# KiCad board HW.ACIM-INV.kicad_pcb
title: INVERTER BOARD; date: 2024-02-20; rev: 0.0; company: TON DUC THANG UNIVERSITY; note: Schematic Designed by ...; note: PCB Designed by ...; note: Approved by ...
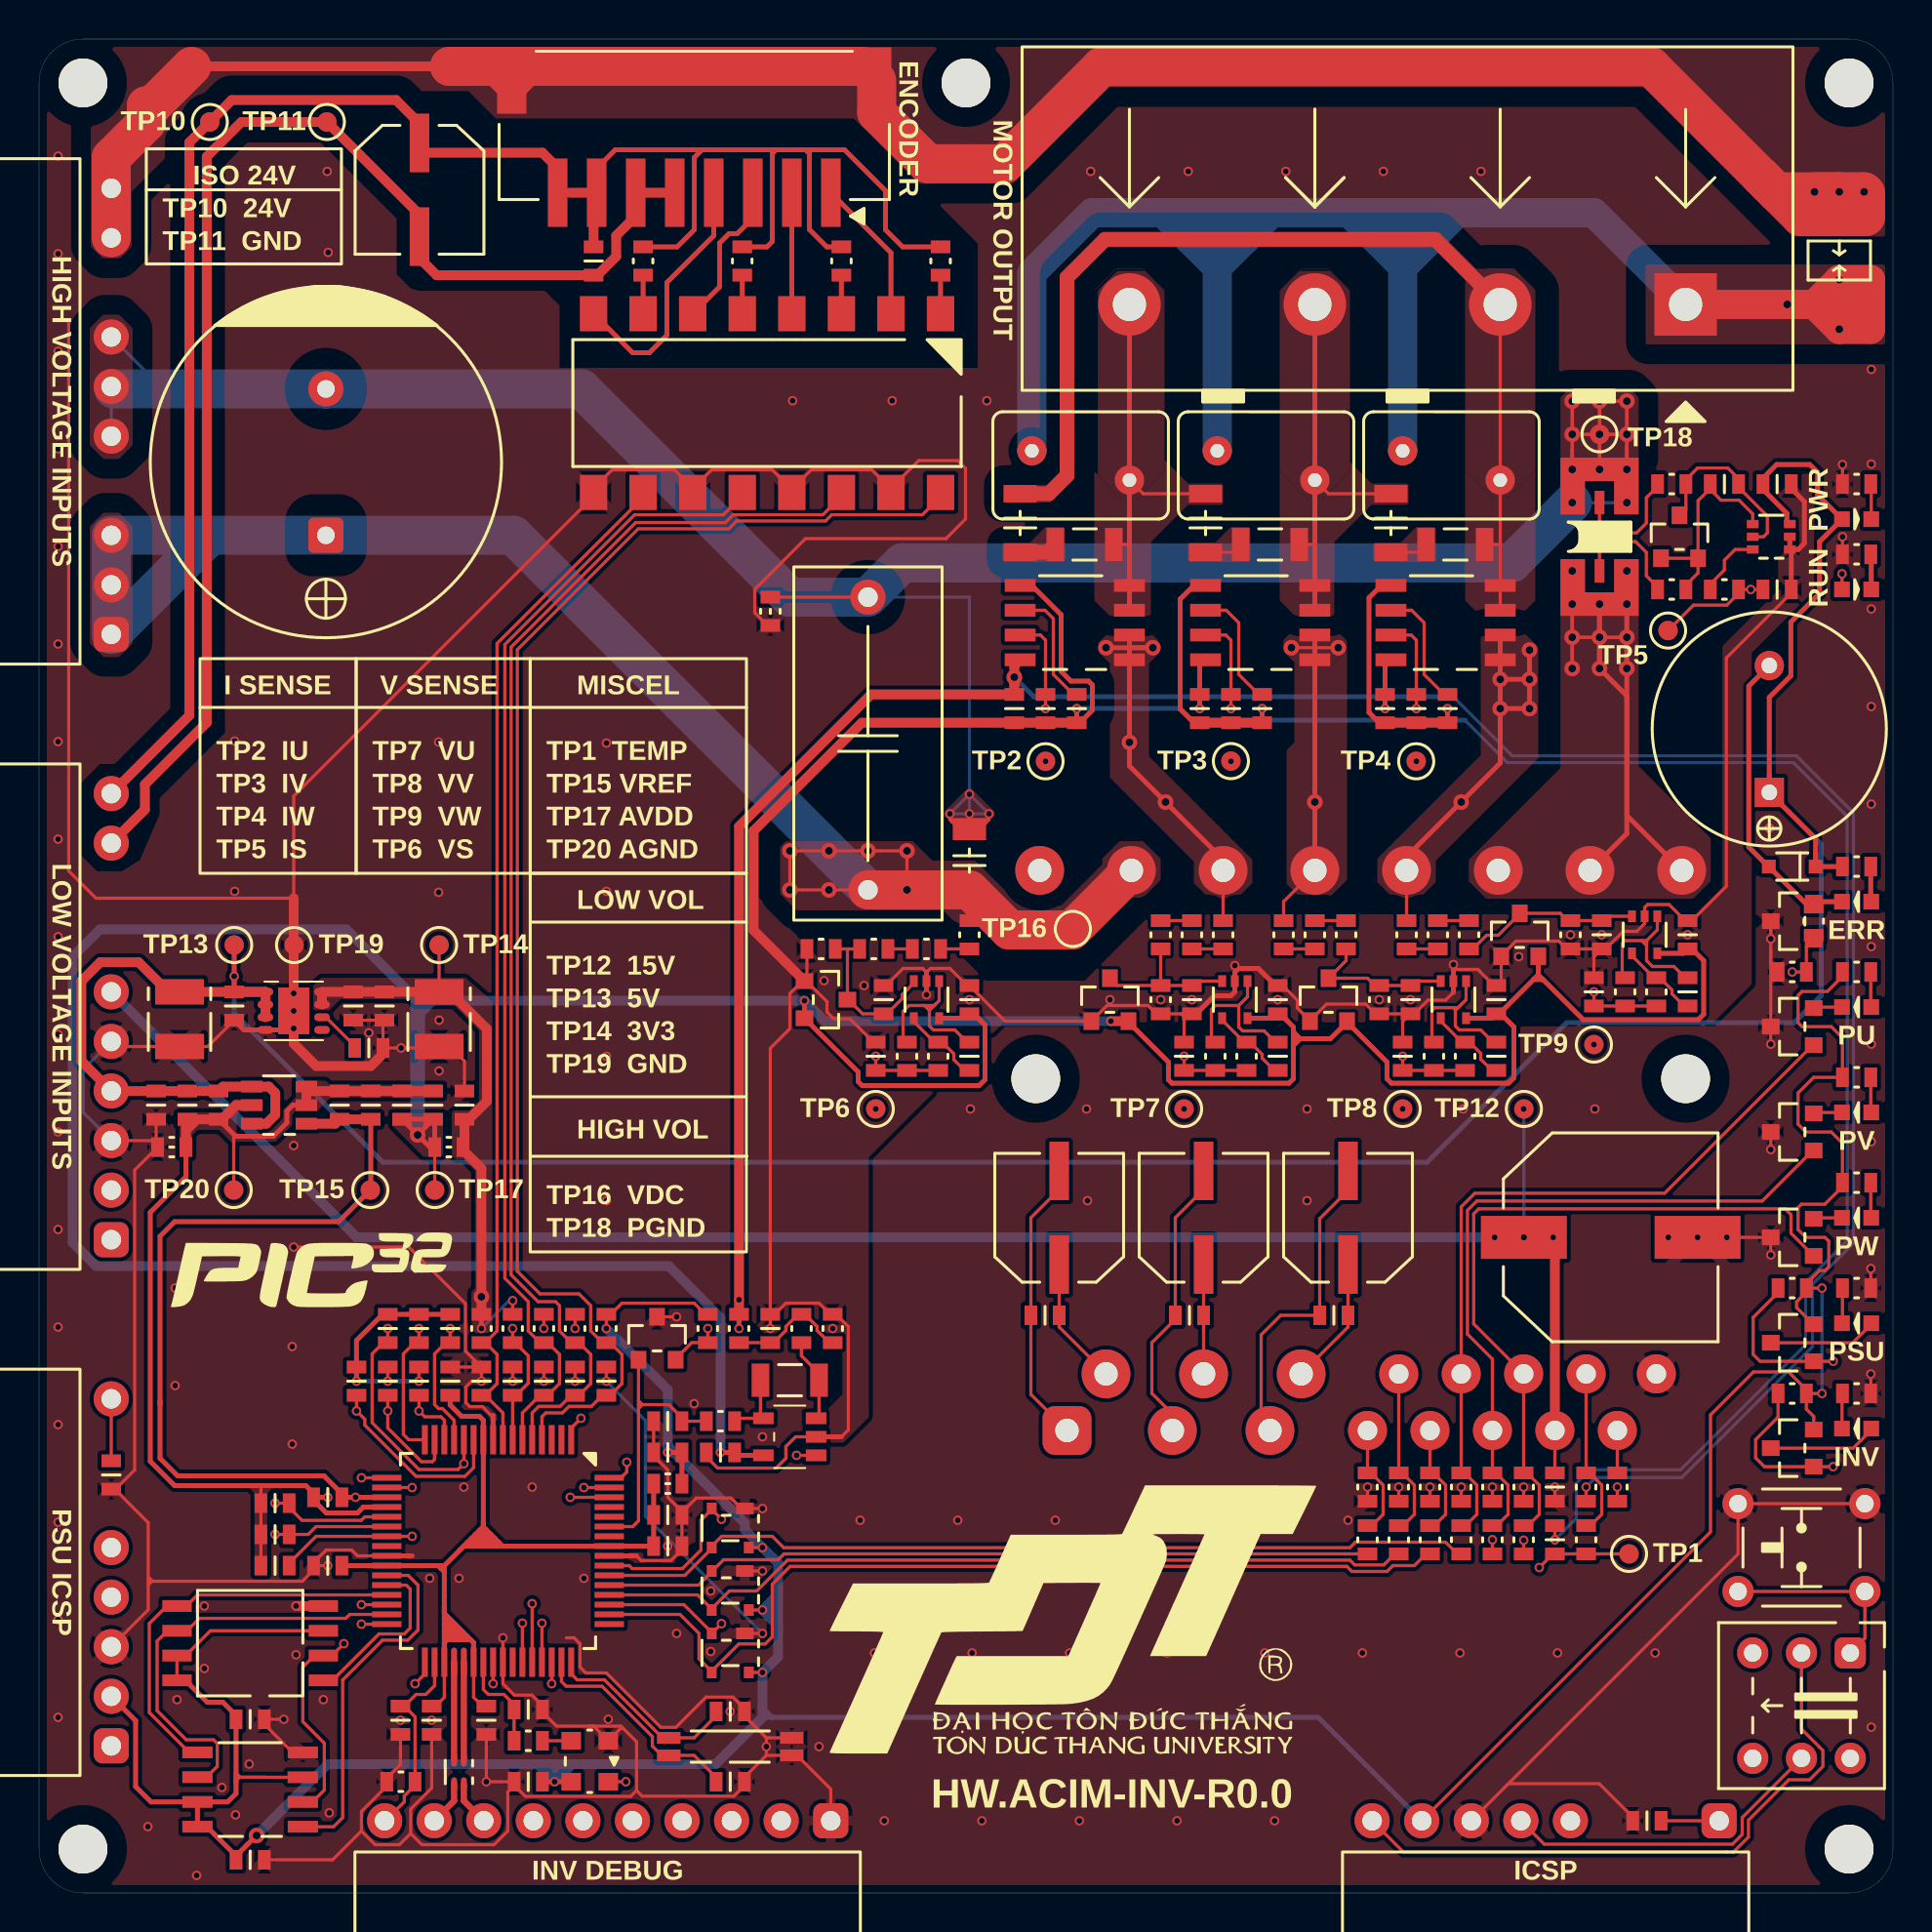
[diagram p0: board, top side]
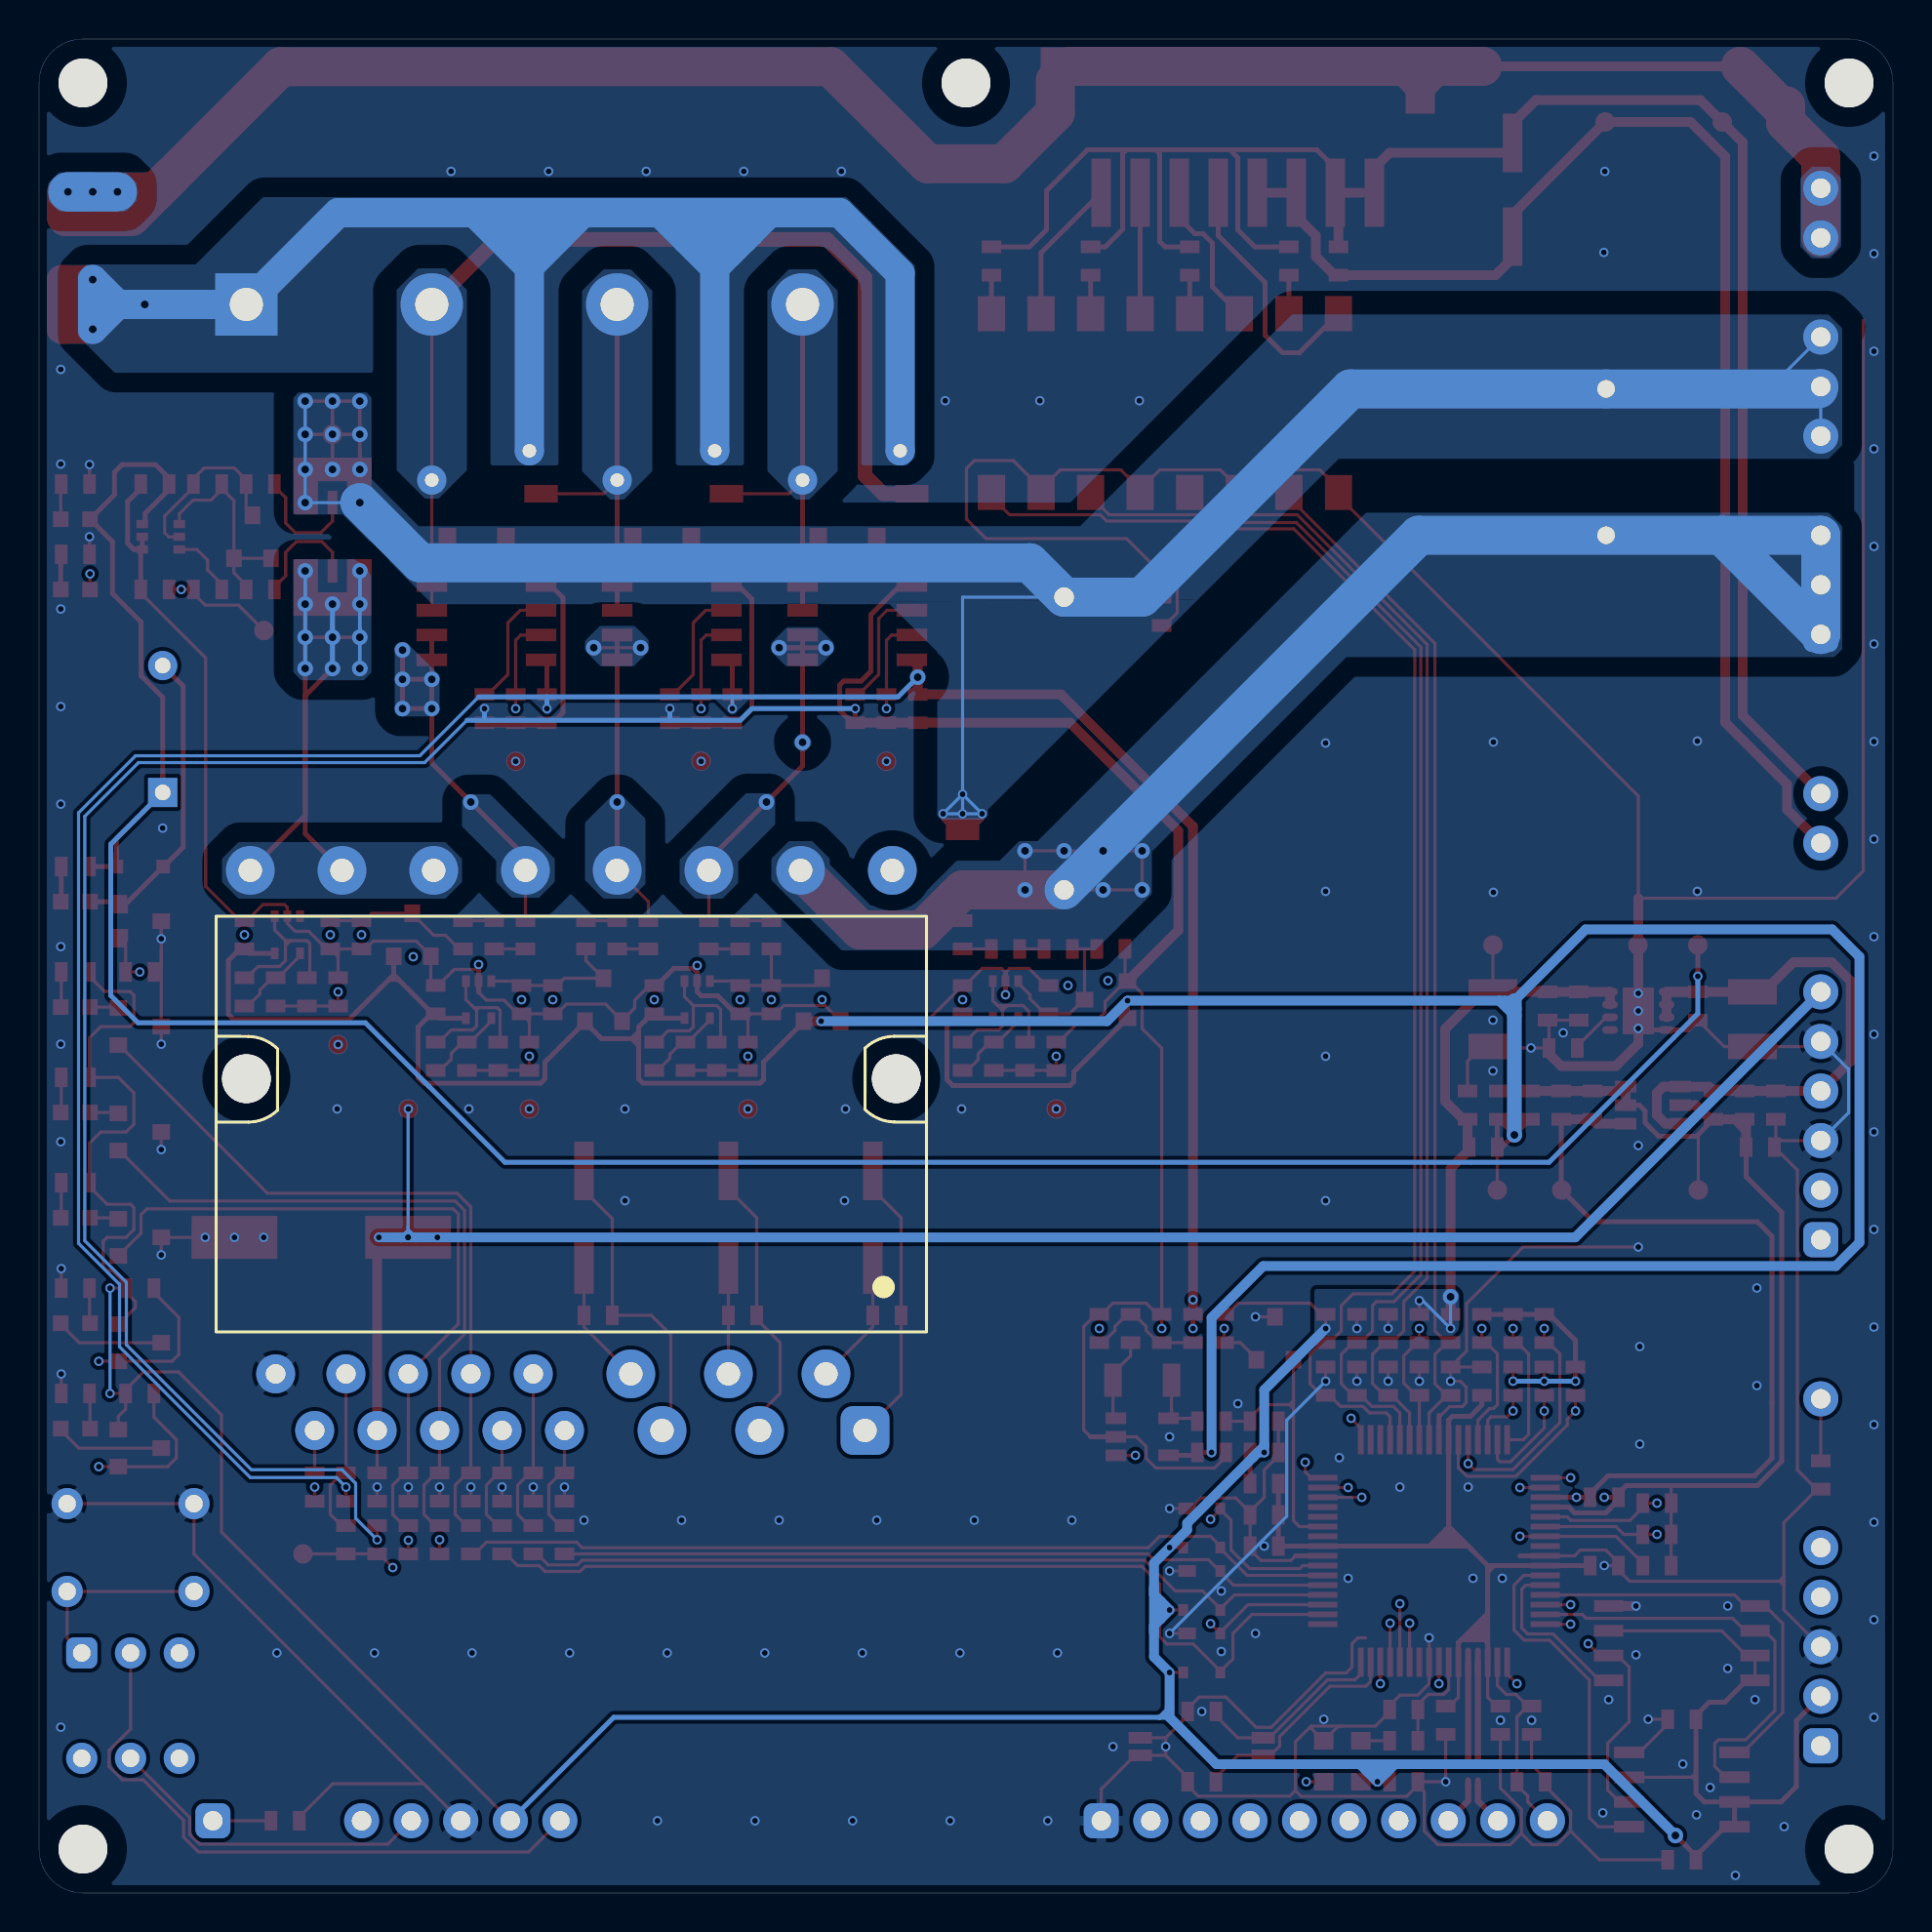
[diagram p1: board, bottom side, seen from below]

Outline 95 x 95 mm; copper layers: Top, In1.Cu, In2.Cu, Bottom. Coordinates in mm from the lower left corner of the outline.
Outline path: 0,92.75 0,2.25 arc(0.66,0.66) 2.25,0 92.75,0 arc(94.34,0.66) 95,2.25 95,92.75 arc(94.34,94.34) 92.75,95 2.25,95 arc(0.66,94.34) 0,92.75
Stack: Top 0.035mm / dielectric 0.1mm FR4 er 4.5 / In1.Cu 0.035mm / dielectric 1.24mm FR4 er 4.5 / In2.Cu 0.035mm / dielectric 0.1mm FR4 er 4.5 / Bottom 0.035mm

## Placement (name value [footprint] x y rotation side)
BT1  RESET  [BUTTON_4P_6x6]  90.31 17.7 180 top
BZ1  BUZZER  [AT-1224]  88.66 59.64 90 top  (not fitted)
C1  1uF/400V  [ECWFE2W105]  42.47 58.9 270 top
C2  100nF  [CAP0603]  51.55 29.6 180 top
C3  47uF/35V  [CAP_ELEC-6.6x6.6-DIA6.3]  52.28 34.6 90 top
C4  47uF/35V  [CAP_ELEC-6.6x6.6-DIA6.3]  59.68 34.6 90 top
C5  100nF  [CAP0603]  58.95 29.6 180 top
C6  47uF/35V  [CAP_ELEC-6.6x6.6-DIA6.3]  67.07 34.6 90 top
C7  100nF  [CAP0603]  66.35 29.6 180 top
C8  1nF  [CAP0603]  47.68 42.88 90 top
C9  100nF  [CAP0603]  42.88 42.88 90 top
C10  100nF  [CAP0603]  43.28 45.78 90 top
C11  100pF/2kV  [CAP1206]  69.28 70.2 90 top
C12  100pF/2kV  [CAP1206]  50.28 70.2 270 top
C13  100pF/2kV  [CAP1206]  59.78 70.2 270 top
C14  100pF/2kV  [CAP1206]  47.68 52.9 90 top
C15  1nF  [CAP0603]  72.18 60.69 90 top
C16  470uF  [CAP_ELEC-10.3x10.3-DIA10]  80.54 33.59 0 top
C17  100nF  [CAP0603]  77.68 20.8 270 top
C18  1nF  [CAP0603]  77.68 18.1 270 top
C19  1nF  [CAP0603]  63.47 42.88 90 top
C20  100nF  [CAP0603]  58.68 42.88 90 top
C21  1nF  [CAP0603]  32.22 24.17 0 top
C22  100nF  [CAP0603]  37.47 28.92 270 top
C23  100nF  [CAP0603]  59.07 45.78 270 top
C24  100nF  [CAP0603]  63.47 45.78 270 top
C25  1nF  [CAP0603]  74.68 42.88 90 top
C26  100nF  [CAP0603]  69.88 42.88 90 top
C27  100nF  [CAP0603]  74.68 45.78 270 top
C28  100nF  [CAP0603]  70.28 45.78 270 top
C29  1nF  [CAP0603]  86.36 72.19 180 top
C30  1nF  [CAP0603]  89.06 66.8 180 top
C31  100nF  [CAP0603]  89.06 72.19 180 top
C32  220uF/6.3V  [CAP1411]  20.5 44.77 270 top
C33  22pF  [CAP0603]  24.27 26.22 270 top
C34  100nF  [CAP0603]  10.82 1.7 180 top  (not fitted)
C35  100nF  [CAP0603]  10.82 8.9 180 top  (not fitted)
C36  22pF  [CAP0603]  22.67 26.22 270 top
C37  1nF  [CAP0603]  84.47 46.17 90 top
C38  100nF  [CAP0603]  79.68 46.17 90 top
C39  100nF  [CAP0603]  84.47 49.1 270 top
C40  100nF  [CAP0603]  80.07 49.1 270 top
C41  100nF  [CAP0603]  47.68 45.78 270 top
C42  100nF  [CAP0603]  34.92 22.57 0 top
C43  22pF  [CAP0603]  17.87 28.92 270 top
C44  22pF  [CAP0603]  17.87 26.22 270 top
C45  22pF  [CAP0603]  19.47 26.22 270 top
C46  22pF  [CAP0603]  21.07 28.92 270 top
C47  22pF  [CAP0603]  16.27 26.22 270 top
C48  10uF  [CAP0603]  6 40.37 90 top
C49  22pF  [CAP0603]  7.6 40.37 90 top
C50  100nF  [CAP0603]  9.2 40.37 90 top
C51  22pF  [CAP0603]  29.07 26.22 270 top
C52  22pF  [CAP0603]  27.47 26.22 270 top
C53  100nF  [CAP0603]  15.4 40.37 270 top
C54  10uF  [CAP0603]  17.7 45.45 90 top
C55  10uF  [CAP0603]  17 40.37 270 top
C56  3.3nF  [CAP0603]  16.1 45.45 90 top
C57  22pF  [CAP0603]  21.8 40.37 270 top
C58  22pF  [CAP0603]  20.2 40.37 270 top
C59  10uF  [CAP0603]  18.6 40.37 270 top
C60  22pF  [CAP0603]  25.87 26.22 270 top
C61  100nF  [CAP0603]  68.97 60.69 90 top
C62  1nF  [CAP0603]  70.57 60.69 90 top
C63  100nF  [CAP0603]  59.47 60.69 90 top
C64  1nF  [CAP0603]  62.68 60.69 90 top
C65  1nF  [CAP0603]  61.07 60.69 90 top
C66  100nF  [CAP0603]  49.97 60.69 90 top
C67  1nF  [CAP0603]  53.18 60.69 90 top
C68  1nF  [CAP0603]  51.57 60.69 90 top
C69  22pF  [CAP0603]  19.47 28.92 270 top
C70  22pF  [CAP0603]  12.09 18.37 0 top
C71  22pF  [CAP0603]  12.09 19.97 0 top
C72  22pF  [CAP0603]  12.09 16.77 0 top
C73  47uF/35V  [CAP_ELEC-6.6x6.6-DIA6.3]  19.5 87.28 270 top
C74  100nF  [CAP0603]  28.42 83.62 90 top
C75  100uF/450V  [CAP_ELEC-18.0x51.5-LS7.5]  14.7 73.32 90 top
C76  22pF  [CAP0603]  82.39 3.7 0 top  (not fitted)
C77  22pF  [CAP0603]  3.7 21.42 90 top  (not fitted)
C78  100nF  [CAP0603]  10 45.45 90 top
C79  100nF  [CAP0603]  16.9 43.3 180 top
C83  220uF/6.3V  [CAP1411]  7.2 44.77 270 top
C89  100nF  [CAP0603]  14.79 16.77 0 top
C90  22pF  [CAP0603]  32.22 22.57 0 top
C91  22pF  [CAP0603]  32.22 19.37 180 top
C92  10uF  [CAP0603]  32.22 17.77 180 top
C93  100nF  [CAP0603]  20.12 8.85 90 top
C94  100nF  [CAP0603]  21.07 26.22 270 top
C95  100nF  [CAP0603]  14.79 20.27 0 top
C96  100nF  [CAP0603]  22.92 8.85 90 top
C97  22pF  [CAP0603]  18.52 8.85 90 top  (not fitted)
C98  9pF  [CAP0603]  35.42 5.7 180 top  (not fitted)
C99  9pF  [CAP0603]  35.42 9.3 180 top  (not fitted)
C100  100nF  [CAP0603]  25.07 5.7 0 top
C101  22pF  [CAP0603]  25.07 9.4 180 top  (not fitted)
D1  GP DIODE  [SOT23]  40.32 45.78 270 top
D2  GP DIODE  [SOT23]  54.88 45.78 0 top
D3  GP DIODE  [SOT23]  66.07 45.78 0 top
D4  GP DIODE  [SOT23]  75.88 49.1 0 top
D5  INV  [LED0603]  93.14 23.8 0 top  (not fitted)
D6  ERR  [LED0603]  93.14 50.8 0 top
D7  75V/150mA  [SOD-323]  89.84 52.59 180 top  (not fitted)
D8  RUN  [LED0603]  93.14 66.8 180 top
D9  PWR  [LED0603]  93.14 70.4 180 top
D10  TVS 5.5V 3-CH  [SOT143B_NEXT]  35.42 15.5 180 top
D11  TVS 5.5V 3-CH  [SOT143B_NEXT]  35.42 18.7 180 top
D12  PU  [LED0603]  93.14 45.39 0 top  (not fitted)
D13  PV  [LED0603]  93.14 40 0 top  (not fitted)
D14  PW  [LED0603]  93.14 34.59 0 top  (not fitted)
D15  TVS 5.5V 3-CH  [SOT143B_NEXT]  35.42 12.3 180 top
D16  PSU  [LED0603]  93.14 29.19 0 top  (not fitted)
D20  GP DIODE  [SOT23]  84.06 69.5 0 top
FT1  120R@100MHz  [FT0603]  6.8 38.22 180 top
FT2  120R@100MHz  [FT0603]  37.47 65.67 90 top
FT3  120R@100MHz  [FT0603]  21 38.22 180 top
FT6  120R@100MHz  [FT0603]  32.22 20.97 180 top
FT7  2x 120R@100MHz  [IND1210_4P]  21.52 6.2 270 top  (not fitted)
G1  300V  [GDT1812_3532]  92.25 83.65 270 top
G***  -  [LOGO]  13.97 32 0 top
G***#2  -  [LOGO]  52.97 14 0 top
J1  HIGH VOLTAGE INPUTS  [HDM1x10x2.54_TH_RA#3]  3.7 75.92 90 top
J2  ICSP  [HDM1x8x2.54_TH_RA]  77.2 3.7 180 top
J3  MOTOR OUTPUT  [TMB4_9.5]  70.12 81.4 180 top
J4  LOW VOLTAGE INPUTS  [HDM1x10x2.54_TH_RA]  3.7 44.9 90 top
J5  PSU ICSP  [HDF1x8x2.54_TH_RA]  3.7 16.43 90 top  (not fitted)
J6  INV DEBUG  [HDM1x10x2.54_TH_RA#2]  29.14 3.7 180 top
J8  ENCODER  [HDM1x8x2.0_SMA_RA]  33.57 89.92 180 top
M1  560V/1.75kA  [MOV5MM]  72.38 73.15 0 top
M2  560V/1.75kA  [MOV5MM]  62.88 73.15 0 top
M3  560V/1.75kA  [MOV5MM]  53.38 73.15 0 top
NOREF  -  [unnamed]  47.5 92.75 0 top
NOREF#2  -  [unnamed]  92.75 92.75 0 top
NOREF#3  -  [unnamed]  2.25 2.25 0 top
NOREF#4  -  [unnamed]  51.07 41.72 0 top
NOREF#5  -  [unnamed]  84.38 41.72 0 top
NOREF#6  -  [unnamed]  92.75 2.25 0 top
OP1  OPTO-BJT-4CH  [OPTO_SO16_6.5MM]  37.31 76.34 180 top
Q1  20V/1A  [SOT23]  31.67 28.42 0 top  (not fitted)
Q2  20V/1A  [SOT23]  89.84 22.8 90 top  (not fitted)
Q3  20V/1A  [SOT23]  89.84 49.8 90 top  (not fitted)
Q4  20V/1A  [SOT23]  89.84 44.39 90 top  (not fitted)
Q5  20V/1A  [SOT23]  89.84 39 90 top  (not fitted)
Q6  20V/1A  [SOT23]  89.84 33.59 90 top  (not fitted)
Q7  20V/1A  [SOT23]  89.84 28.19 90 top  (not fitted)
R1  100K  [RES0603]  47.68 49.1 270 top
R2  100K  [RES0603]  45.47 48.38 180 top
R3  1.1K  [RES0603]  46.07 42.88 270 top
R4  100K  [RES0603]  42.78 48.38 180 top
R5  10R  [RES0603]  44.47 42.88 90 top
R6  1.1K  [RES0603]  40.07 48.38 180 top
R7  0R  [RES0603]  80.88 20.8 270 top
R8  100K  [RES0603]  60.68 49.1 270 top
R9  100K  [RES0603]  59.07 49.1 90 top
R10  1.1K  [RES0603]  61.88 42.88 270 top
R11  1.1K  [RES0603]  79.28 18.1 270 top
R12  100K  [RES0603]  79.28 20.8 90 top
R13  1.1K  [RES0603]  68.07 18.1 270 top
R14  1.1K  [RES0603]  69.68 18.1 270 top
R15  1.1K  [RES0603]  71.28 18.1 270 top
R16  100K  [RES0603]  71.28 20.8 90 top
R17  100K  [RES0603]  69.68 20.8 90 top
R18  100K  [RES0603]  68.07 20.8 90 top
R19  1.1K  [RES0603]  72.88 18.1 270 top
R20  1.1K  [RES0603]  93.14 47.19 180 top  (not fitted)
R21  1.1K  [RES0603]  74.47 18.1 270 top
R22  1.1K  [RES0603]  76.07 18.1 270 top
R23  100K  [RES0603]  76.07 20.8 90 top
R24  100K  [RES0603]  74.47 20.8 90 top
R25  100K  [RES0603]  72.88 20.8 90 top
R26  100K  [RES0603]  57.47 49.1 270 top
R27  10R  [RES0603]  34.92 24.17 180 top
R28  100K  [RES0603]  35.87 28.92 90 top
R29  1.1K  [RES0603]  39.07 28.92 90 top
R30  1M  [RES1206]  38.47 26.27 0 top
R31  470K  [RES0603]  40.67 28.92 270 top
R32  10R  [RES0603]  60.28 42.88 90 top
R33  1.1K  [RES0603]  57.47 45.78 270 top
R34  100K  [RES0603]  63.78 49.1 270 top
R35  100K  [RES0603]  65.38 49.1 90 top
R36  1.1K  [RES0603]  73.07 42.88 270 top
R37  100K  [RES0603]  66.97 49.1 270 top
R38  10R  [RES0603]  71.47 42.88 90 top
R39  1.1K  [RES0603]  68.68 45.78 270 top
R40  10R  [RES0603]  83.66 66.8 180 top
R41  10R  [RES0603]  86.36 66.8 0 top
R42  10R  [RES0603]  83.66 72.19 180 top
R43  5mR/3W/1%  [SHU2512]  79.96 69.5 270 top
R44  4.3K  [RES0603]  36.03 83.62 270 top
R45  4.3K  [RES0603]  41.12 83.62 270 top
R46  4.3K  [RES0603]  46.19 83.62 270 top
R47  10K  [RES0603]  24.27 28.92 270 top
R48  100K  [RES0603]  70.07 49.1 270 top
R49  100K  [RES0603]  71.68 49.1 90 top
R50  1.1K  [RES0603]  82.88 46.17 270 top
R51  100K  [RES0603]  73.28 49.1 270 top
R52  10R  [RES0603]  81.28 46.17 90 top
R53  1.1K  [RES0603]  78.47 49.1 270 top
R54  10K  [RES0603]  34.27 28.92 270 top  (not fitted)
R55  1.1K  [RES0603]  93.14 25.59 180 top  (not fitted)
R56  100K  [RES0603]  89.84 25.59 180 top  (not fitted)
R57  1.1K  [RES0603]  93.14 52.59 180 top
R58  100K  [RES0603]  89.84 47.19 180 top  (not fitted)
R59  1.1K  [RES0603]  93.14 68.59 180 top
R60  1.1K  [RES0603]  93.14 72.19 180 top
R61  4.3K  [RES0603]  30.96 83.62 270 top
R62  1.1K  [RES0603]  22.67 28.92 270 top
R63  4.7R  [RES1206]  63.07 69.1 0 top
R64  1.1K  [RES0603]  93.14 41.8 180 top  (not fitted)
R65  1.1K  [RES0603]  93.14 31 180 top  (not fitted)
R66  1.1K  [RES0603]  93.14 36.39 180 top  (not fitted)
R67  100K  [RES0603]  89.84 31 180 top  (not fitted)
R68  4.7R  [RES1206]  72.57 69.1 0 top
R69  4.7R  [RES1206]  53.57 69.1 0 top
R70  1.1K  [RES0603]  29.07 28.92 270 top
R71  1.1K  [RES0603]  27.47 28.92 270 top
R72  1.1K  [RES0603]  25.87 28.92 270 top
R73  0R  [RES0603]  90.94 49.8 270 top
R110  100K  [RES0603]  18.54 5.7 180 top  (not fitted)
R111  0R  [RES0603]  25.07 7.8 0 top
REF**  -  [SCREWHOLE-2.5M]  2.25 92.75 0 top
SW1  PRG SEL  [SW_PUSH_2DPDT]  90.31 9.6 180 top
TP1  TEMP  [TP1MM]  81.47 17.38 0 top
TP2  IU  [TP1MM]  51.57 57.99 0 top
TP3  IV  [TP1MM]  61.07 58 0 top
TP4  IW  [TP1MM]  70.57 57.99 0 top
TP5  IS  [TP1MM]  83.47 64.69 0 top
TP6  VS  [TP1MM]  42.88 40.17 0 top
TP7  VU  [TP1MM]  58.68 40.17 0 top
TP8  VV  [TP1MM]  69.88 40.17 0 top
TP9  VW  [TP1MM]  79.68 43.47 0 top
TP10  24V  [TP1MM]  8.75 90.75 0 top
TP11  GND1  [TP1MM]  14.75 90.75 0 top
TP12  15V  [TP1MM]  76.09 40.17 0 top
TP13  5V  [TP1MM]  10 48.57 0 top
TP14  3V3  [TP1MM]  20.5 48.57 0 top
TP15  VREF  [TP1MM]  16.97 36.02 0 top
TP16  VDC  [TP1MM]  52.97 49.4 0 top
TP17  AVDD  [TP1MM]  20.28 36.02 0 top
TP18  PGND  [TP1MM]  79.96 74.75 0 top
TP19  GND  [TP1MM]  13.07 48.57 0 top
TP20  AGND  [TP1MM]  9.97 36.02 0 top
U1  IPM 600V/15A  [CIPOS-MINI]  67.72 38.05 0 bottom
U2  OP-1CH  [SOT353]  61.28 45.78 270 top
U3  ISEN 50mV/V  [SOT363]  88.76 69.5 90 top
U4  CMP-1CH  [SOT25_DIODES]  38.47 23.37 90 top
U5  MIPS 32-bit DSC  [TQFP64_10x10_MCHP]  23.52 17.52 270 top
U6  24MHz (3225)  [CDFN3225-4LD-PL-1]  28.22 6.75 180 top
U7  I=±10A  [SOIC8_ALL]  72.06 65.09 90 top
U8  LDO 3.3V±0.1%/20mA  [SOT-23-6_MCHP]  12.3 40.37 90 top
U9  I=±10A  [SOIC8_ALL]  62.56 65.09 90 top
U10  I=±10A  [SOIC8_ALL]  53.06 65.09 90 top
U11  256Kbit EEPROM  [SOIC8_3.9_MCHP]  10.82 5.3 90 top  (not fitted)
U12  OP-1CH  [SOT353]  72.47 45.78 270 top
U13  128Mbit Flash  [SO8W_5.3]  10.82 12.8 180 top  (not fitted)
U14  LDO 3.3V/1.5A  [DFN8_3x3_MCHP]  13.05 45.2 270 top
U15  OP-1CH  [SOT353]  82.28 49.1 270 top
U16  OP-1CH  [SOT353]  45.47 45.78 270 top
X1  32.768kHz  [SMD4-7015]  35.42 7.5 0 top  (not fitted)

## Library data of the parts
BT1 = -: Description: SWITCH TACTILE 6x6x17MM SPST-NO 0.05A 12V; MFT: CUI; MNP: TS02-66-170-BK-160-SCR-D
BZ1 = -: Description: BUZZER MAGNETIC 5V 12MM TH; MNP: AT-1224-TWT-5V-2-R; MFT: PUI; Unit Price: 0.55; Checked: OK
C1 = -: Description: CAP FILM 1UF 10% 450VDC RADIAL; MNP: ECW-FE2W105K; Unit Price: 0.72; MFT: Panasonic; Checked: OK
C2 C5 C7 C9 C10 C17 C20 C22-C24 C26-C28 C31 C38-C42 C50 C53 C61 C63 C66 C74 C89 C93-C96 C100 = -: Description: CAP CER 0.1UF 50V X7R 0603; MNP: CL10B104KB8NNNC; Unit Price: 0.0146; MFT: Samsung; Checked: OK
C3 C4 C6 C73 = -: Description: CAP ALUM POLY 47UF 20% 35V SMD; MNP: A768EB476M1VLAE042; Unit Price: 0.45; MFT: KEMET; Checked: OK
C8 C15 C18 C19 C21 C25 C29 C30 C37 C62 C64 C65 C67 C68 = -: Description: CAP CER 1nF 50V X7R 0603; MNP: CL10B102KB8NNNC; Unit Price: 0.027; MFT: Samsung; Checked: OK
C11-C14 = -: Description: CAP CER 100PF 2000V X7R 1206; MNP: 885342208022; Unit Price: 0.19; MFT: WE; Checked: OK
C16 = -: Description: CAP ALUM POLY 470UF 20% 25V SMD; MNP: A768MS477M1ELAE017; Unit Price: 0.85; MFT: KEMET; Checked: OK
C32 C83 = -: Description: CAP TANT 220UF 20% 6.3V 1411; MNP: TLJB227M006R0500; Unit Price: 1.01; MFT: KAVX; Checked: OK
C33 C76 C77 = -: Description: CAP CER 22PF 50V C0G/NP0 0603; MFT: Walsin; Unit Price: 0.012; MNP: 0603N220J500CT; Checked: OK
C34 C35 = -: Description: CAP CER 0.1UF 50V X7R 0603; MFT: Samsung; Unit Price: 0.0146; MNP: CL10B104KB8NNNC; Checked: OK
C36 C43-C47 C49 C51 C52 C57 C58 C60 C69-C72 C90 C91 C97 C101 = -: Description: CAP CER 22PF 50V C0G/NP0 0603; MNP: 0603N220J500CT; Unit Price: 0.012; MFT: Walsin; Checked: OK
C48 C54 C55 C59 C92 = -: Description: CAP CER 10UF 6.3V X5R 0603; MNP: CL10A106MQ8NNNC; Unit Price: 0.079; MFT: Samsung; Checked: OK
C56 = -: Description: CAP CER 3.3nF 50V X7R 0603; Unit Price: 0.031; MNP: CL10B332KB8NNNC; MFT: Samsung; Checked: OK
C75 = -: Description: CAP ALUM 100UF 20% 450V SNAP; MNP: VW2W101MNN1825A4EF3; MFT: Elite; Unit Price: 6.96; Checked: OK
C78 C79 = -: Description: CAP CER 0.1UF 50V X7R 0603; MNP: CL10B104KB8NNNC; MFT: Samsung; Unit Price: 0.0146; Checked: OK
C98 C99 = -: Description: CAP CER 9PF 50V C0G/NPO 0603; Unit Price: 0.074; MNP: CC0603BRNPO9BN9R0; MFT: YAGEO; Checked: OK
D1-D4 D20 = -: Description: DIODE ARRAY GP 75V 150MA SOT23; MNP: MMBD4148SE; Unit Price: 0.11; MFT: ANBON; Checked: OK
D5 D14 D16 = -: Description: LED BLUE CLEAR 0603 SMD; MFT: Harvatek; Unit Price: 0.1; MNP: B19Y1NB--20C000113U1930; Checked: OK
D6 D12 = -: Description: LED RED DIFFUSED 0603 SMD; MFT: Harvatek; Unit Price: 0.1; MNP: B1911USD-20D000114U1930; Checked: OK
D7 = -: Description: DIODE GEN PURP 75V 150MA SOD323; MNP: 1N4148WX-TP; MFT: MCC; Unit Price: 0.068; Checked: OK
D8 = -: Description: LED GREEN DIFFUSED 0603 SMD; MFT: Harvatek; Unit Price: 0.1; MNP: B1911NG--20D000214U1930; Checked: OK
D9 D13 = -: Description: LED WHITE 0603 SMD; MFT: Harvatek; MNP: B1931TW--20P000314U1930; Checked: OK
D10 D11 D15 = -: Description: TVS DIODE 5.5VWM SOT143B; MNP: PRTR5V0U2X,215; MFT: Nexperia; Checked: OK
FT1-FT3 FT6 = -: Description: FERRITE BEAD 120 OHM 1A 0603 1LN; Unit Price: 0.058; MNP: PE-0603PFB121ST; MFT: Pulse; Checked: OK
FT7 = -: Description: CMF 1210 120OHM 300MA 2LN SMD; MNP: MCM1012B121F06BPDG; Unit Price: 0.087; MFT: INPAQ; Checked: OK
G1 = -: Description: GDT SMD 4532, 300V30% 2KA, REEL; MNP: 4532-301-LF; MFT: YAGEO; Unit Price: 0.53; Checked: OK
J1 = -: Description: CONN HDR 10POS 0.1 TIN PCB R/A; Checked: OK; MFT: Sullins; MNP: PPTC101LGBN-RC
J2 = -: Description: CONN HEADER R/A 8POS 2.54MM; MFT: Sullins; MNP: PBC08SBAN; Checked: OK
J3 = -: Description: CONN BARRIER STRIP 4CIRC 0.374"; Checked: OK; MFT: Amphenol; MNP: YK4410403000G; Unit Price: 0.84
J4 J6 = -: Description: CONN HDR 10POS 0.1 TIN PCB R/A; MFT: Sullins; MNP: PPTC101LGBN-RC; Checked: OK
J5 = -: Description: CONN HDR 8POS 0.1 TIN PCB R/A; MFT: Sullins; MNP: PPTC081LGBN-RC; Checked: OK
J8 = -: Description: 8 POS 2.00MM(.079) SINGLE ROW SM; Checked: OK; MFT: Cvilux; MNP: CI0108M1HR0-NH; Unit Price: 0.44
M1-M3 = -: Description: VARISTOR 560V 1.75KA DISC 7MM; MNP: 561KD07; Unit Price: 0.255; MFT: YAGEO; Checked: OK
OP1 = -: Description: OPTOISOLATOR 3.75KV TRANS SO16; MFT: Toshiba; MNP: TLP293-4(TP,E; Checked: OK
Q1 = -: Description: MOSFET N-CH 20 V 1.6A SOT-23-3; MNP: DMN2310U-7; Unit Price: 0.148; MFT: Diodes; Checked: OK
Q2 Q7 = -: Description: MOSFET P-CH 20V 3.1A SOT23-3; Checked: OK; MFT: Vishay; MNP: SI2301CDS-T1-GE3
Q3-Q6 = -: Description: MOSFET N-CH 20 V 1.6A SOT-23-3; MNP: DMN2310U-7; MFT: Diodes; Unit Price: 0.148; Checked: OK
R1 R2 R4 R8 R9 R12 R16-R18 R23-R26 R28 R34 R35 R37 R48 R49 R51 R110 = -: Description: RES 100K OHM 1% 1/10W 0603; Unit Price: 0.019; MNP: RC0603FR-07100KL; MFT: YAGEO; Checked: OK
R3 R6 R10 R11 R13-R15 R19 R21 R22 R29 R33 R36 R39 R50 R53 R62 R70-R72 = -: Description: RES SMD 1.1K OHM 1% 1/10W 0603; Unit Price: 0.021; MNP: AC0603FR-071K1L; MFT: YAGEO; Checked: OK
R5 R27 R32 R38 R40-R42 R52 = -: Description: RES 10 OHM 1% 1/10W 0603; Unit Price: 0.029; MNP: RC0603FR-0710RL; MFT: YAGEO; Checked: OK
R7 R73 R111 = -: Description: RES 0 OHM JUMPER 1/10W 0603; Unit Price: 0.015; MNP: RC0603JR-070RL; MFT: YAGEO; Checked: OK
R20 R55 R57 R59 R60 R64-R66 = -: Description: RES SMD 1.1K OHM 1% 1/10W 0603; MFT: YAGEO; Unit Price: 0.021; MNP: AC0603FR-071K1L; Checked: OK
R30 = -: Description: RES 1M OHM 5% 1/4W 1206; Unit Price: 0.02; MNP: WR12X105 JTL; MFT: Walsin; Checked: OK
R31 = -: Description: RES 470K OHM 1% 1/10W 0603; Unit Price: 0.019; MNP: RC0603FR-13470KL; MFT: YAGEO; Checked: OK
R43 = -: Description: RES 0.005 OHM 1% 3W 2512; MNP: MSMA2512R0050FGM; Unit Price: 0.6; MFT: Eaton; Checked: OK
R44-R46 R61 = -: Description: RES SMD 4.3K OHM 1% 1/10W 0603; Unit Price: 0.021; MNP: AC0603FR-074K3L; MFT: YAGEO; Checked: OK
R47 = -: Description: RES 10K OHM 1% 1/10W 0603; MFT: YAGEO; Unit Price: 0.019; MNP: RC0603FR-0710KL; Checked: OK
R54 = -: Description: RES 10K OHM 1% 1/10W 0603; Unit Price: 0.019; MNP: RC0603FR-0710KL; MFT: YAGEO; Checked: OK
R56 R58 R67 = -: Description: RES 100K OHM 1% 1/10W 0603; MFT: YAGEO; Unit Price: 0.019; MNP: RC0603FR-07100KL; Checked: OK
R63 R68 R69 = -: Description: RES 4.7 OHM 1% 1/2W 1206; Unit Price: 0.035; MNP: RNCP1206FTD4R70; MFT: Stackpole; Checked: OK
SW1 = -: Description: SWITCH PUSH DPDT 0.1A 30V; MNP: TL2201EEYA; Checked: OK; MFT: E-Switch
U1 = -: Description: IFPS MODULES 24MDIP; MNP: IKCM15H60GAXKMA2; Unit Price: 11.37; MFT: Infineon; Checked: OK
U2 U12 U15 U16 = -: Description: IC OPAMP GP 1 CIRCUIT SC88A; MNP: NCV21871SQ3T2G; Unit Price: 0.633; MFT: Onsemi; Checked: OK
U3 = -: Description: CM VOLTAGE OUTPUT SOT363 T&R 3K; MNP: ZXCT199QA1DW-7; Unit Price: 0.079; MFT: Diodes; Checked: OK
U4 = -: Description: IC COMPARATOR 1 GEN PUR SOT25; MNP: AP331AWG-7; MFT: Diodes; Unit Price: 0.36; Checked: OK
U5 = -: Description: IC MCU 32BIT 1MB FLASH 64TQFP; MNP: PIC32MK1024MCM064-I/PT; Unit Price: 10.07; MFT: Microchip; Checked: OK